# Altium PCB DemetrioGurgel - PCEIoT.PcbDoc (part 3 of 3)
Units mm, origin at the board's own origin, x right, y up, seen from the top; angles counter-clockwise.
Board outline 125 x 60 mm, 4 copper layers (Top Copper, Top Ref, Botton Ref, Bottom Copper), stack 1.586 mm thick; 166 components, 93 nets, 454 pads, 542 vias.
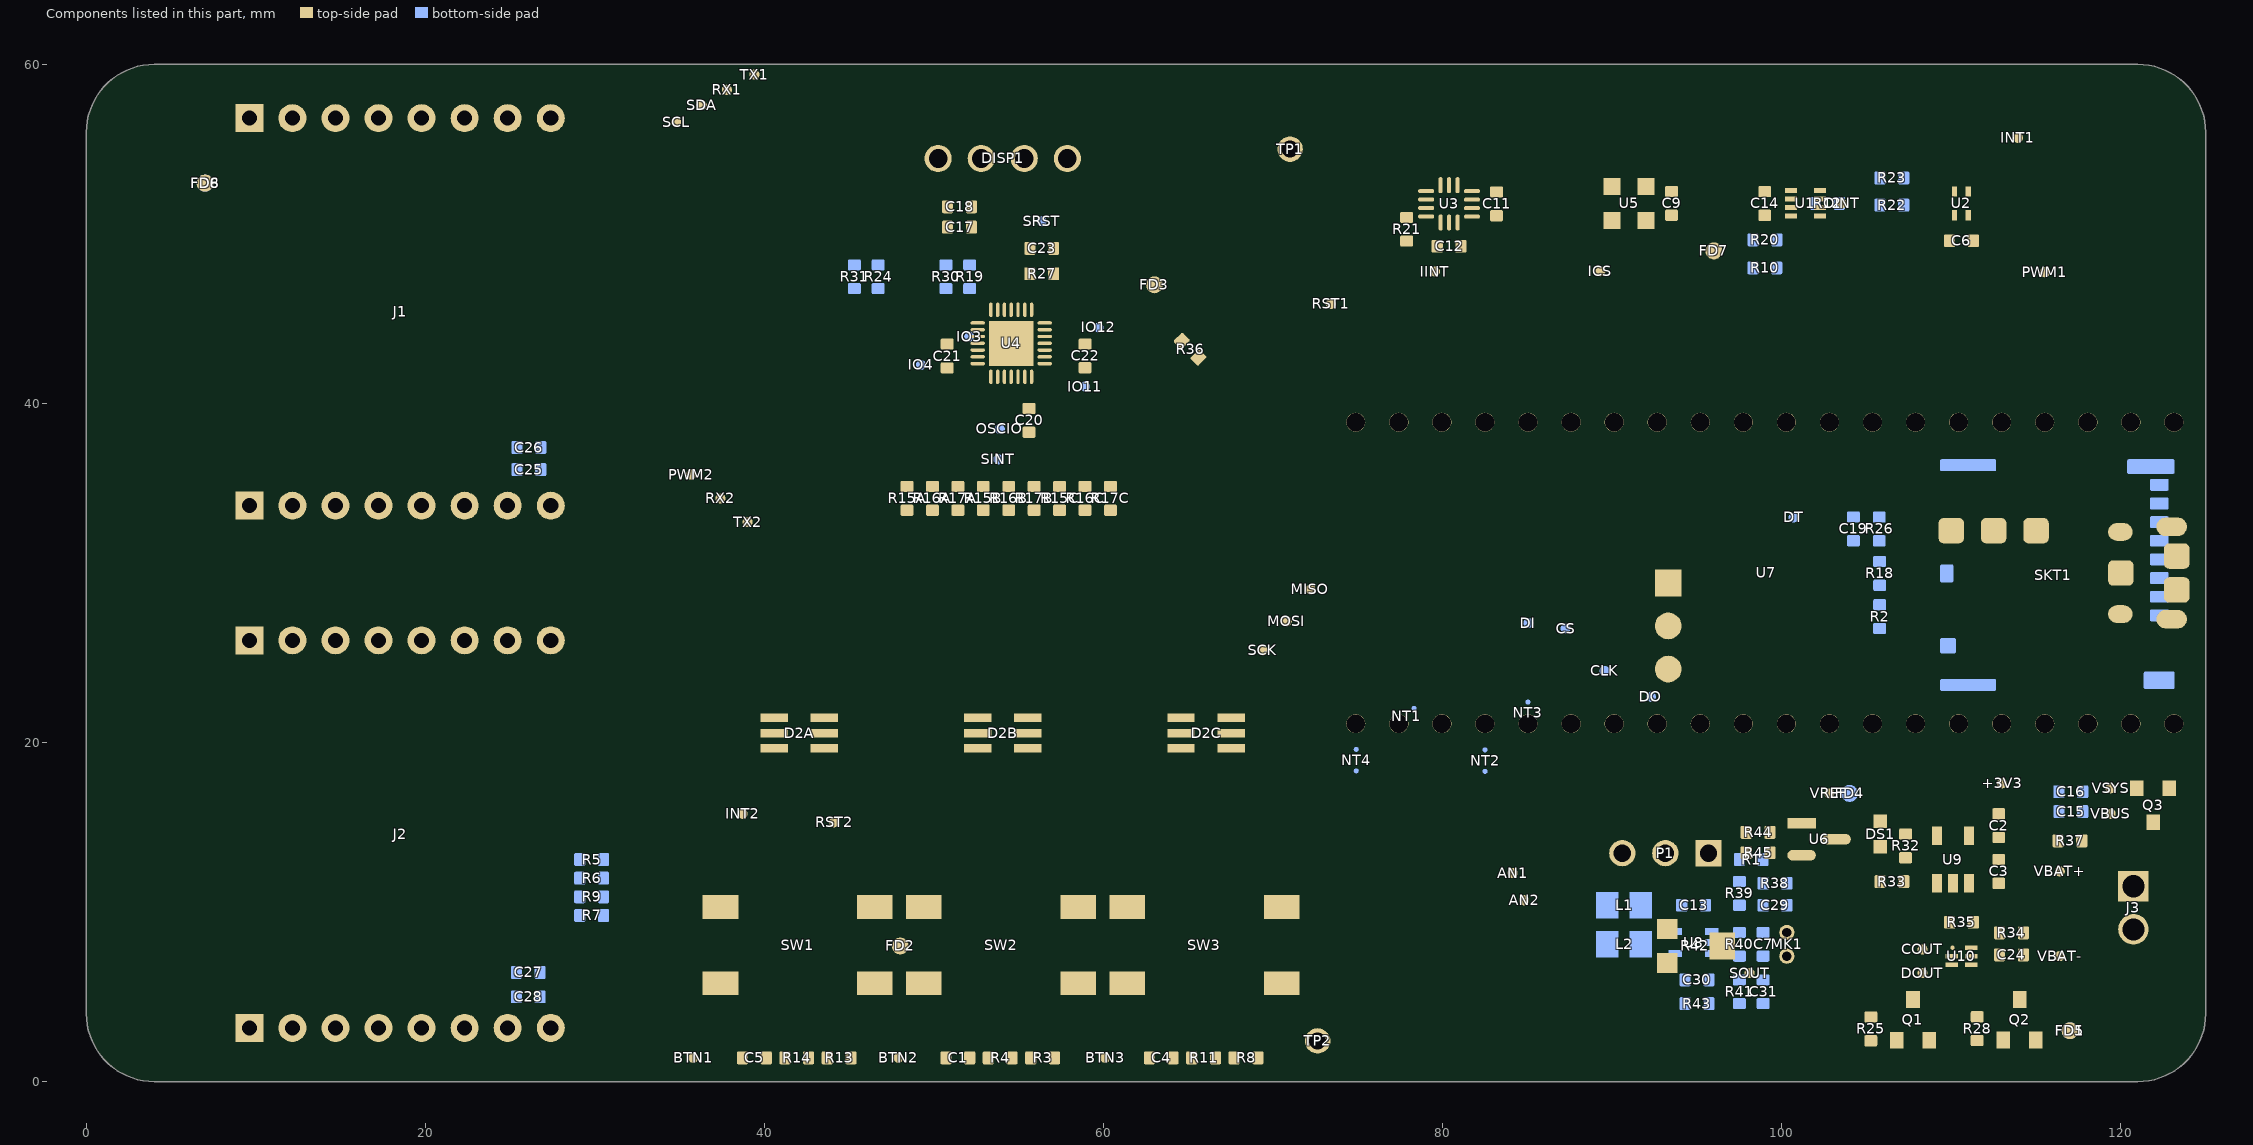
[diagram p5: the components of this part, seen from the top]

## Polygon pours and split planes (outlines as drawn) (continued)
GND on Botton Ref (split plane): 75,59.49 121,59.49 121.229,59.49 121.682,59.43 122.124,59.311 122.547,59.136 122.943,58.908 123.306,58.629 123.629,58.306 123.908,57.943 124.136,57.547 124.311,57.124 124.43,56.682 124.49,56.229 124.49,56 124.49,4 124.49,3.771 124.43,3.318 124.311,2.876 124.136,2.453 123.908,2.057 123.629,1.694 123.306,1.371 122.943,1.092 122.547,0.864 122.124,0.689 121.682,0.57 121.229,0.51 121,0.51 4,0.51 3.771,0.51 3.318,0.57 2.876,0.689 2.453,0.864 2.057,1.092 1.694,1.371 1.371,1.694 1.092,2.057 0.864,2.453 0.689,2.876 0.57,3.318 0.51,3.771 0.51,4 0.51,56 0.51,56.229 0.57,56.682 0.689,57.124 0.864,57.547 1.092,57.943 1.371,58.306 1.694,58.629 2.057,58.908 2.453,59.136 2.876,59.311 3.318,59.43 3.771,59.49 4,59.49
GND on Top Ref (split plane): 75,59.49 121,59.49 121.229,59.49 121.682,59.43 122.124,59.311 122.547,59.136 122.943,58.908 123.306,58.629 123.629,58.306 123.908,57.943 124.136,57.547 124.311,57.124 124.43,56.682 124.49,56.229 124.49,56 124.49,4 124.49,3.771 124.43,3.318 124.311,2.876 124.136,2.453 123.908,2.057 123.629,1.694 123.306,1.371 122.943,1.092 122.547,0.864 122.124,0.689 121.682,0.57 121.229,0.51 121,0.51 4,0.51 3.771,0.51 3.318,0.57 2.876,0.689 2.453,0.864 2.057,1.092 1.694,1.371 1.371,1.694 1.092,2.057 0.864,2.453 0.689,2.876 0.57,3.318 0.51,3.771 0.51,4 0.51,56 0.51,56.229 0.57,56.682 0.689,57.124 0.864,57.547 1.092,57.943 1.371,58.306 1.694,58.629 2.057,58.908 2.453,59.136 2.876,59.311 3.318,59.43 3.771,59.49 4,59.49

## Other copper
Top Copper:
  pour cut-out: 60.701,36.325 60.701,37.475 61.45,37.475 61.45,36.325 61.4,36.325
  pour cut-out: 60.725,33.656 60.725,34.175 57.225,34.175 57.225,33.665
  pour cut-out: 56.225,33.681 56.225,34.175 52.725,34.175 52.725,33.69
  pour cut-out: 51.825,33.731 51.825,34.175 48.325,34.175 48.325,33.74
  pour cut-out: 60.701,34.583 60.701,36.325 48.319,36.325 48.319,34.617
  pour cut-out: 56.139,51.856 56.139,51.364 55.694,50.918 55.388,50.918 55.388,51.623 55.611,51.846
  pour cut-out: 62.413,54.986 62.675,51.054 62.663,51.054 61.942,54.709
  pour cut-out: 22.775,56.365 22.775,53.8 23.6,53.8 23.6,55.946 23.194,55.946
  pour cut-out: 94.609,43.6 100.272,43.6 100.272,41.349 94.609,41.349
  pour cut-out: 105.166,17 105.166,14.718 106.858,14.718 106.858,17 105.176,17
  pour cut-out: 91.124,16.624 91.124,18.575 85.475,18.575 83.088,16.188 83.088,13.5 88,13.5
  pour cut-out: 111.2,8.5 111.2,7.4 108.9,7.4 108.9,8.5
Bottom Copper:
  pour cut-out: 37.2,1.294 37.2,2.35 36.393,2.35
  pour cut-out: 22.95,13.85 23.412,13.85 23.412,13.388
  pour cut-out: 38.55,13.4 39.075,12.875 39.075,12.752 38.731,12.408
  pour cut-out: 86.624,11.9 85.424,10.7 40.206,10.7 40.206,11.506 40.6,11.9 84.824,11.9
  pour cut-out: 113.643,57.342 112.28,57.342 112.28,55.889
  pour cut-out: 99.343,49.237 98.643,49.237 98.643,49.691 99.343,49.691
  pour cut-out: 99.339,47.593 98.639,47.593 98.639,48.047 99.339,48.047
  pour cut-out: 102.925,52.289 102.925,50.275 103.05,50.15 105.147,50.15 105.497,50.5 105.497,52.326
  pour cut-out: 40.51,12.35 39.2,11.04 39.2,11.025 40.475,11.025
  pour cut-out: 102.532,18.434 99.239,18.434 99.239,16.1 100.15,16.1
  pour cut-out: 91.055,12.31 91.055,9.16 89.015,9.16 88.604,8.749 88.605,7.224 89.03,6.8 90.73,6.8 91.105,6.425 91.105,3.525 100.58,3.525 101.68,4.625 101.68,14.025 92.77,14.025

## Silkscreen, mask and mechanical layers (free items; w line width, h text height)
Top Overlay:
  drawing of 174 lines, arcs and shapes, not listed
  text "Sensors" at 90.825,57.204 h1.7
  text "Display OLED 0.96\"" at 46.325,56.988 h1.7
  text "Y" at 84.951,53.119 h1.5
  text "GND" at 69.625,52.491 h1.5
  text "Z" at 85.01,50.319 h1.5
  text "X" at 87.553,50.319 h1.5
  text "Temp. & Hum." at 105.45,44.286 h1.7
  text "Motion" at 75.4,44.2 h1.7
  text "Pressure" at 87.858,44.2 h1.7
  text "Light" at 99.335,44.2 h1.7
  text "RGB LEDS" at 46.95,24.95 h1.7
  text "MIC" at 90.377,16.045 h1.5
  text "VSYS" at 92.967,16.045 h1.5
  text "Raspberry Pi Pico W" at 69.938,15.762 h1.7
  text "ADC2 / SEL" at 85.412,13.91 h1.5
  text "Push Buttons" at 47.05,13.55 h1.7
  text "+" at 117.789,10.777 h1.5
  text "-" at 118.449,8.519 h1.5 r90
  text "BAT" at 116.8,8.275 h1.7 r90
  text "GND" at 74.159,3.925 h1.5 r90
  text "PCEIOT Board .Version" at 74.925,1.4 h1.7
  text "Mic." at 94.6,1.4 h1.7
Bottom Overlay:
  drawing of 108 lines, arcs and shapes, not listed
  text "SX1509 ADDR[0..1]" at 54.709,49.722 h1.5
  text "0" at 100.896,49.132 h1.5
  text "OPT4001  / ADDR0" at 96,48.916 h1.5
  text "1" at 100.787,47.573 h1.5
  text "0" at 45.611,45.193 h1.5
  text "0" at 51.011,45.193 h1.5
  text "1" at 47.011,45.175 h1.5
  text "1" at 52.411,45.175 h1.5
  text "SDCard" at 107.3,34.842 h1.7
  text "MikroBus SPI" at 36.232,14.52 h1.5
  text "SPI0_RX" at 37.85,12.744 h1.5
  text "MISO" at 26.685,11.86 h1.5
  text "SPI0_TX" at 37.759,11.044 h1.5
  text "MOSI" at 26.623,9.52 h1.5
  text "SPI0_RX" at 37.833,9.244 h1.5
  text "Mic." at 106,5.732 h1.7 r270
  text "PCEIOT Board .Version" at 65.7,4.8 h1.7
Mechanical 15:
  lines w0.3: 0,4 ccw(c4,4) 4,0 121,0 ccw(c121,4) 125,4 125,56 ccw(c121,56) 121,60 75,60 4,60 ccw(c4,56) 0,56 0,44 0,4

## Text inside footprints (layer, text, board x,y; h text height)
DISP1: Top Overlay "CL" at 54.507,52.369 h1.5; Top Overlay "VC" at 51.852,52.369 h1.5; Top Overlay "GN" at 49.33,52.369 h1.5; Top Overlay "DA" at 57.064,52.327 h1.5
J1: Top Overlay "PWM/GP2" at 10.076,47.835 h1.5 r90; Top Overlay "AN/GP26" at 10.076,36.945 h1.5 r90; Top Overlay "NC" at 25.316,52.329 h1.5 r90; Top Overlay "GND" at 27.856,51.22 h1.5 r90; Top Overlay "TX/GP0" at 17.696,49.496 h1.5 r90; Top Overlay "RX/GP1" at 15.156,49.407 h1.5 r90; Top Overlay "INT/GP3" at 12.616,49.098 h1.5 r90; Top Overlay "SCL/GP5" at 20.236,48.513 h1.5 r90; Top Overlay "GND" at 27.856,36.945 h1.5 r90; Top Overlay "+3.3V" at 25.316,36.945 h1.5 r90; Top Overlay "MOSI" at 22.776,36.945 h1.5 r90; Top Overlay "SCK/GP18" at 17.696,36.945 h1.5 r90; Top Overlay "MISO" at 20.236,36.945 h1.5 r90; Top Overlay "CS/GP14" at 15.156,36.945 h1.5 r90; Top Overlay "RST/GP6" at 12.616,36.945 h1.5 r90; Top Overlay "SDA/GP4" at 22.776,48.28 h1.5 r90
J2: Top Overlay "PWM/GP7" at 10.1,17.2 h1.5 r90; Top Overlay "AN/GP27" at 10.076,6.145 h1.5 r90; Top Overlay "NC" at 25.316,21.529 h1.5 r90; Top Overlay "GND" at 27.856,20.42 h1.5 r90; Top Overlay "TX/GP8" at 17.696,18.696 h1.5 r90; Top Overlay "RX/GP9" at 15.156,18.607 h1.5 r90; Top Overlay "INT/GP21" at 12.6,17.7 h1.5 r90; Top Overlay "SCL/GP5" at 20.236,17.713 h1.5 r90; Top Overlay "GND" at 27.856,6.145 h1.5 r90; Top Overlay "+3.3V" at 25.316,6.145 h1.5 r90; Top Overlay "MOSI" at 22.776,6.145 h1.5 r90; Top Overlay "SCK/GP18" at 17.696,6.145 h1.5 r90; Top Overlay "MISO" at 20.236,6.145 h1.5 r90; Top Overlay "CS/GP22" at 15.156,6.145 h1.5 r90; Top Overlay "RST/GP20" at 12.616,6.145 h1.5 r90; Top Overlay "SDA/GP4" at 22.776,17.48 h1.5 r90
MK1: Top Overlay "+" at 100.927,9.116 h1.5 r270; Top Overlay "-" at 101.054,7.465 h1.5 r270